# KiCad board gate.kicad_pcb
title: Doorway to Heaven Badge; company: Sarif Industries
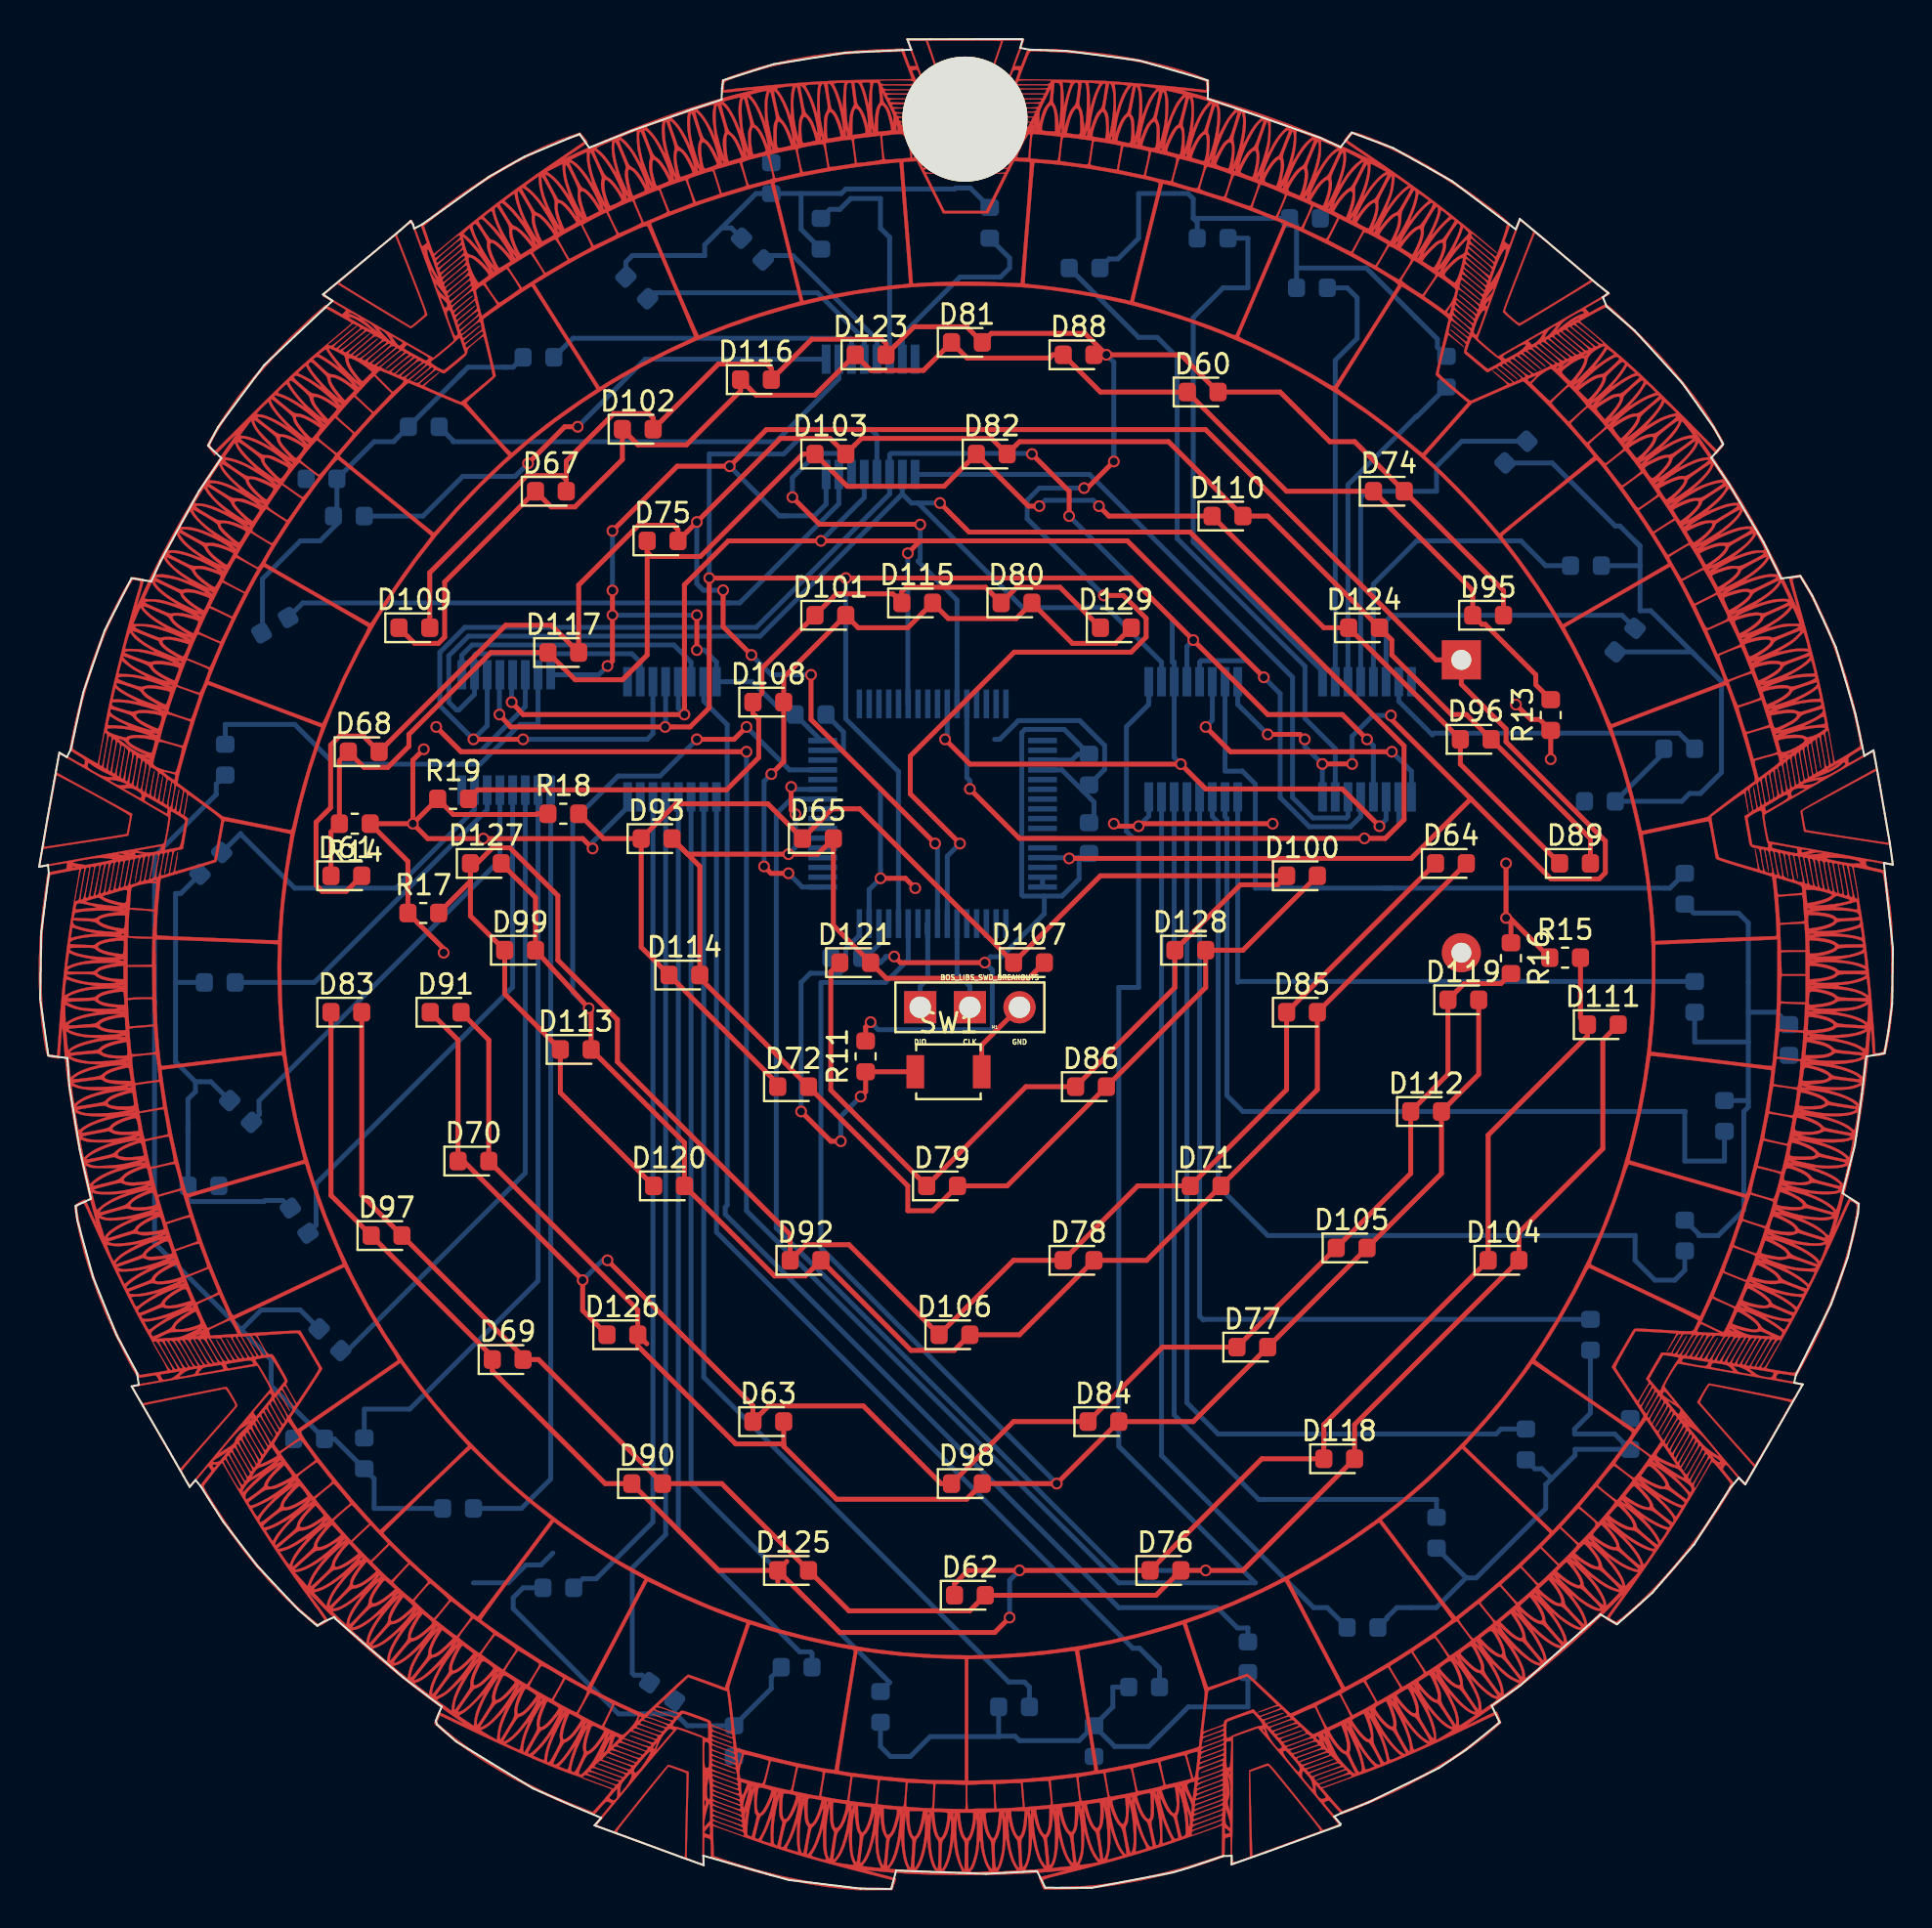
[diagram p0: board, top side]
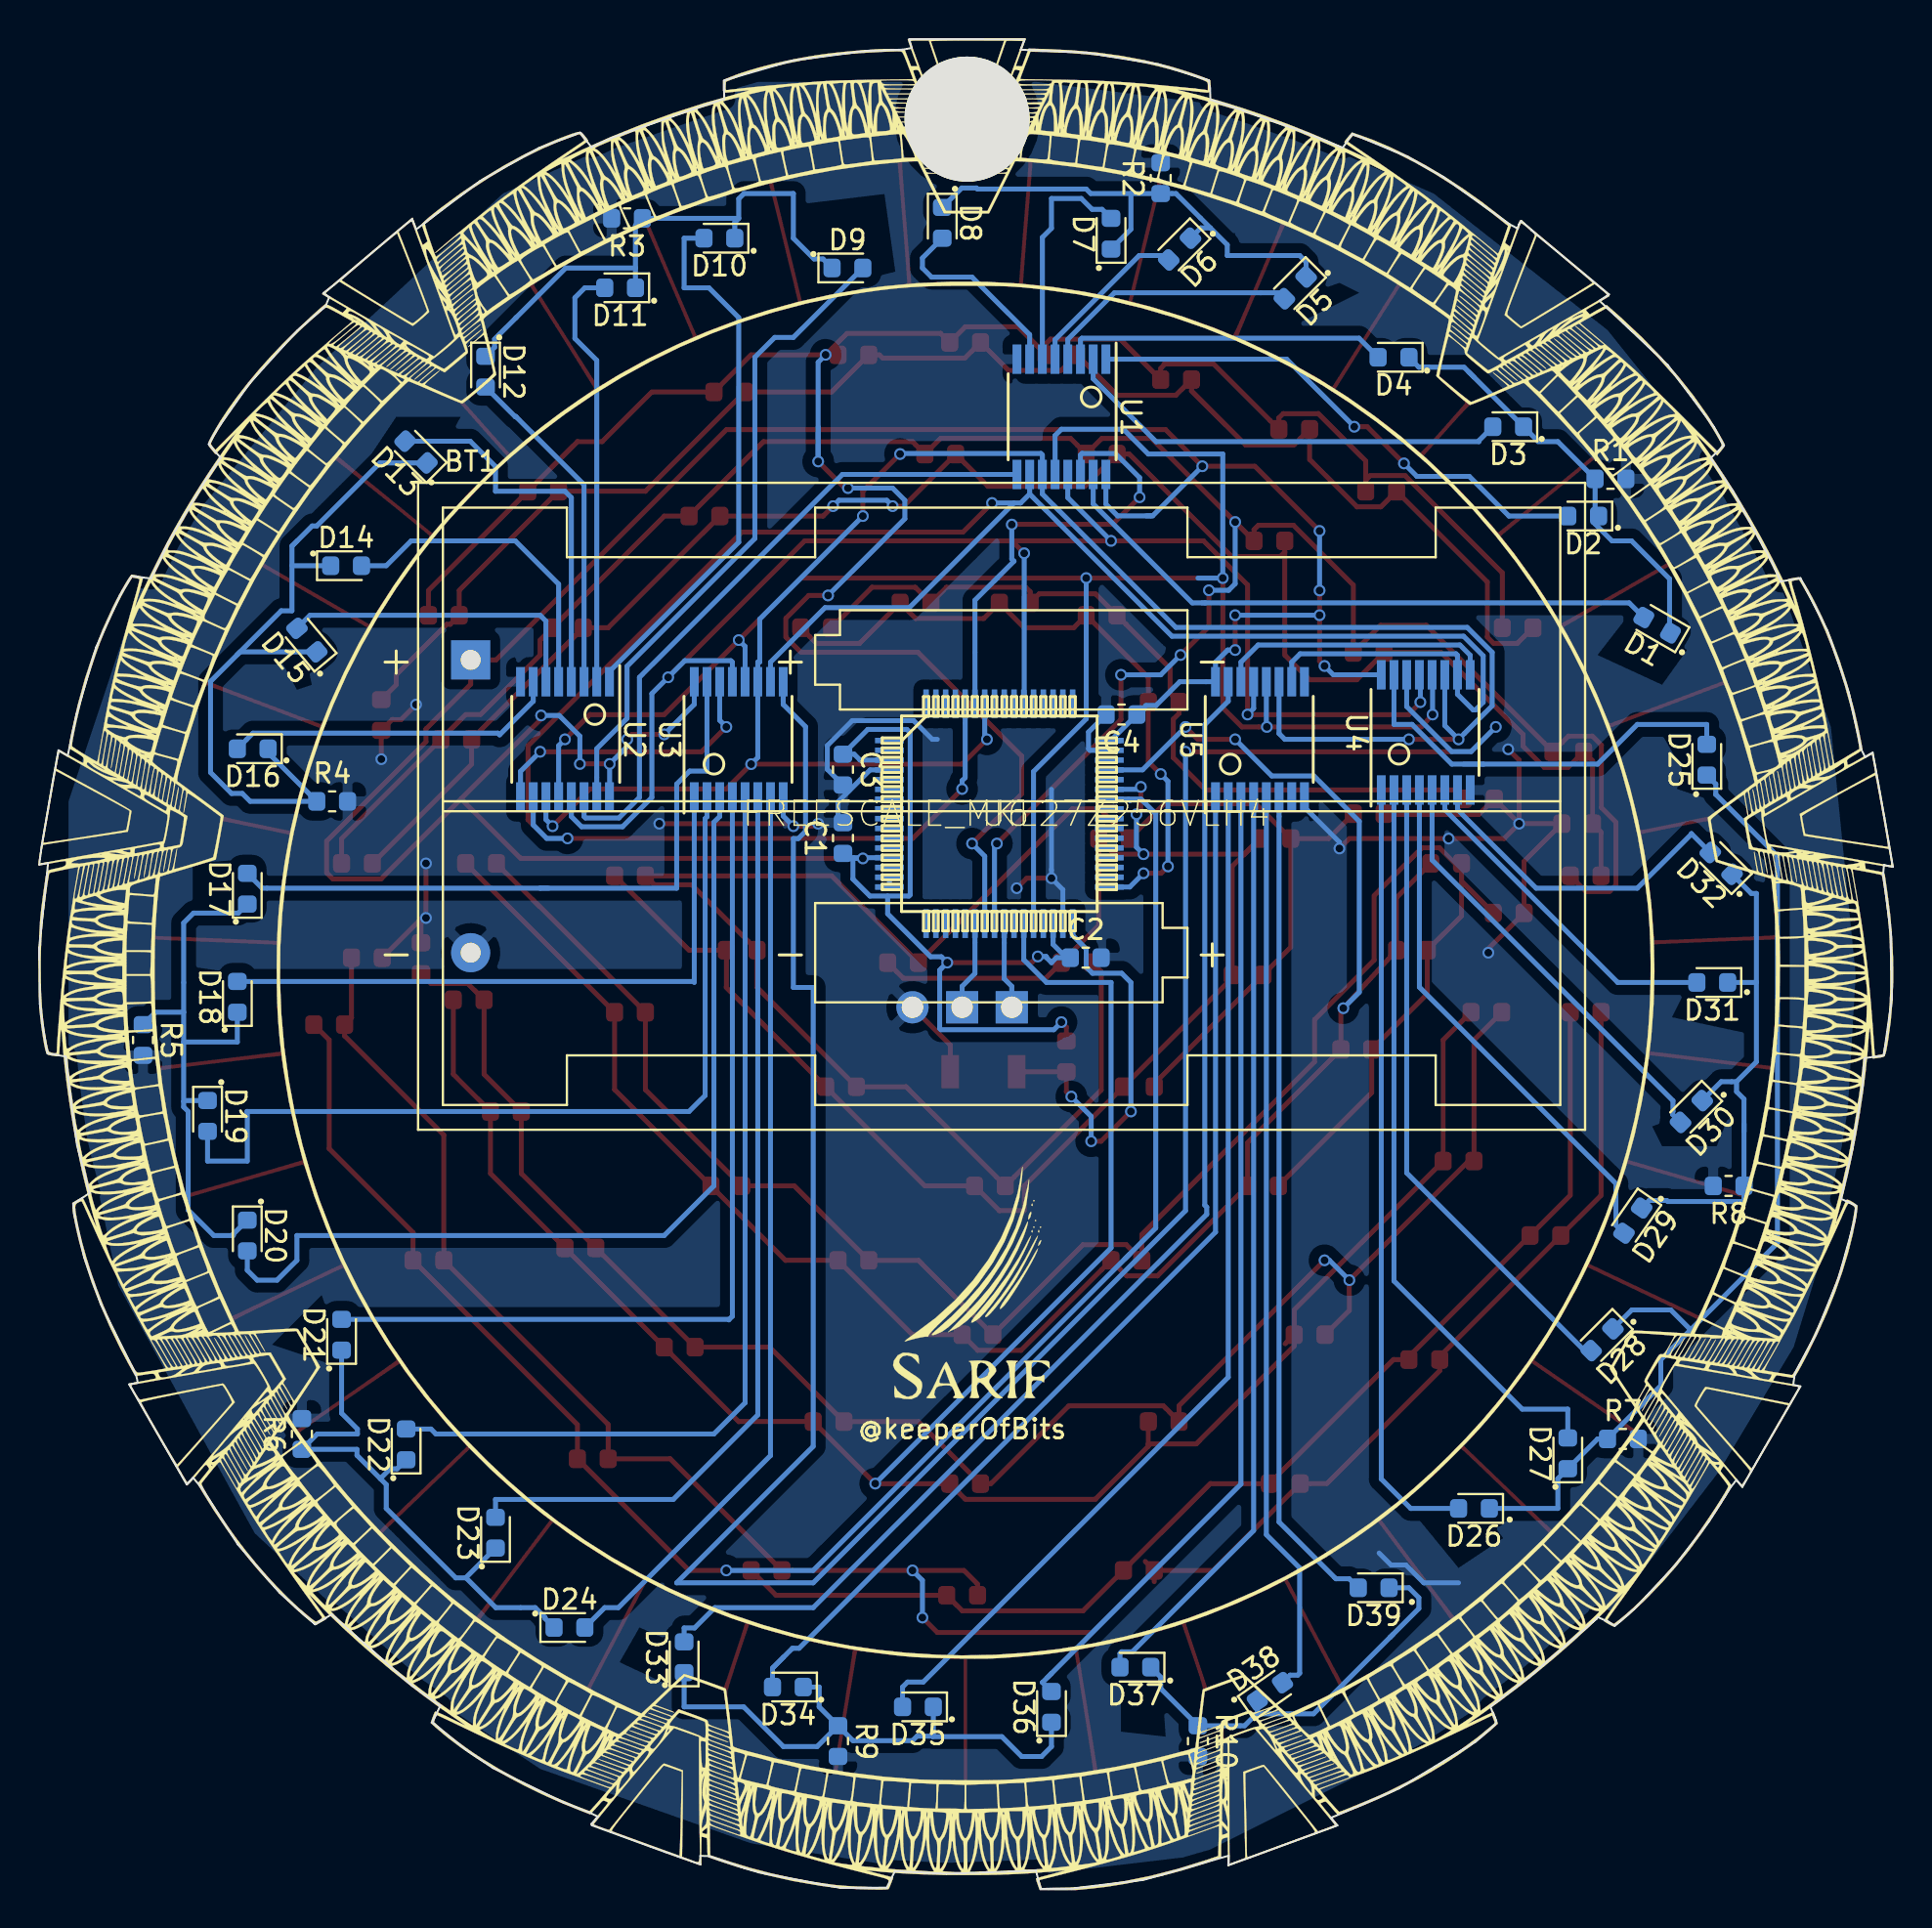
[diagram p1: board, bottom side, seen from below]

Outline 94.85 x 94.7 mm; copper layers: Top, Bottom. Coordinates in mm from the lower left corner of the outline.
Outline path: 0,52.32 0.44,54.85 1.03,58.17 1.42,57.94 1.62,58.33 2.25,61.23 3.35,64.42 4.73,67.1 5.74,66.93 6.21,67.96 8.18,71.56 9.33,73.25 8.65,73.88 9.15,74.83 11.52,78.01 14.63,80.94 15.01,81.3 14.53,81.63 16.67,83.4 18.49,84.91 19.02,85.39 19.14,85.19 19.19,85 19.6,85.21 20.34,85.73 23.01,87.64 24.82,88.67 27.13,89.63 27.66,89.83 28.15,89.14 30.35,90.01 33.45,91.11 34.92,91.6 34.94,92.19 35.01,92.59 37.59,93.41 41.26,94 44.17,94.13 44.63,94.15 44.43,94.69 45.59,94.69 50.33,94.7 50.2,94.24 50.67,94.16 52.56,94.09 56.29,93.6 59.78,92.59 59.8,92.01 59.79,91.64 61.51,91.06 65.54,89.65 66.59,89.16 67.16,89.91 69.28,89.12 72.3,87.42 75.55,84.96 75.77,85.48 76.96,84.49 79.75,82.12 80.29,81.7 80.01,81.48 80.19,81.02 81.64,79.77 84.07,77.09 85.68,74.83 86.17,73.96 85.56,73.26 86.47,71.91 88.22,68.96 89.13,67.08 90.11,67.21 90.72,66.21 91.93,63.56 92.94,60.13 93.39,58 93.86,58.29 94.15,56.68 94.71,53.47 94.84,52.43 94.39,52.52 94.5,51.36 94.85,48.18 94.81,45.3 94.62,43.9 94.42,42.77 93.49,42.61 93.27,40.69 92.91,38.07 92.27,35.62 93.1,35.07 93.06,34.57 92.54,32.34 91.69,29.93 89.89,26.33 89.8,25.92 90.24,25.83 88.49,22.78 87.3,20.71 86.97,21.05 86.55,20.55 84.68,17.63 82.54,15.16 80.73,13.55 79.89,14.05 75.76,10.4 74.32,9.37 74.74,8.53 73,7.12 71.63,6.19 68.02,4.43 66.65,3.89 66.26,3.71 66.59,3.33 66.57,3.26 62.79,1.88 61.02,1.26 61.02,1.69 60.59,1.69 58.72,1.05 58,0.84 53.86,0.06 51.48,0.06 51.06,0.91 48.44,0.78 43.85,0.94 43.6,0 42.05,0.01 38.37,0.46 37.41,0.72 33.98,1.7 34.01,1.21 32.89,1.61 29.56,2.84 28.42,3.25 28.76,3.64 27.28,4.26 25.27,5.15 21.35,7.54 20.36,8.41 20.29,8.6 20.6,9.33 18.63,10.83 15.16,13.83 15.11,13.92 14.53,13.66 14.23,13.47 13.26,14.3 11.16,16.55 9.43,18.79 8.62,20.06 8.28,20.59 8.01,20.93 7.7,20.58 6.6,22.51 4.73,25.73 5.1,25.81 5.01,26.42 3.97,28.35 2.77,31.29 1.95,34.25 1.87,34.97 2.66,35.33 2.08,37.86 1.54,41.13 1.45,42.53 0.47,42.66 0.06,45.57 0.11,48.96 0.5,51.98 0.46,52.41 0,52.32

## Placement (name value [footprint] x y rotation side)
BT1  Battery_Cell  [BatteryHolder_Keystone_2462_2xAA]  72.77 62.92 180 bottom
C1  .1uf  [C_0603_1608Metric]  53.72 53.8 90 bottom
C2  .1uf  [C_0603_1608Metric]  41.3 47.67 180 bottom
C3  .1uf  [C_0603_1608Metric]  53.72 57.3 270 bottom
C4  .1uf  [C_0603_1608Metric]  39.47 60.12 0 bottom
D1  LED-SideMnt-Red  [LED_0603_1608Metric]  12.06 64.69 30 bottom
D2  LED-SideMnt-Red  [LED_0603_1608Metric]  15.85 70.28 0 bottom
D3  LED-SideMnt-Red  [LED_0603_1608Metric]  19.68 74.85 0 bottom
D4  LED-SideMnt-Red  [LED_0603_1608Metric]  25.55 78.41 0 bottom
D5  LED-SideMnt-Red  [LED_0603_1608Metric]  30.58 81.96 315 bottom
D6  LED-SideMnt-Red  [LED_0603_1608Metric]  36.5 83.95 315 bottom
D7  LED-SideMnt-Red  [LED_0603_1608Metric]  40 84.73 90 bottom
D8  LED-SideMnt-Red  [LED_0603_1608Metric]  48.64 85.29 270 bottom
D9  LED-SideMnt-Red  [LED_0603_1608Metric]  53.49 82.98 180 bottom
D10  LED-SideMnt-Red  [LED_0603_1608Metric]  60.04 84.5 0 bottom
D11  LED-SideMnt-Red  [LED_0603_1608Metric]  65.12 81.96 0 bottom
D12  LED-SideMnt-Red  [LED_0603_1608Metric]  72.01 77.67 270 bottom
D13  LED-SideMnt-Red  [LED_0603_1608Metric]  75.56 73.56 45 bottom
D14  LED-SideMnt-Red  [LED_0603_1608Metric]  79.14 67.74 180 bottom
D15  LED-SideMnt-Red  [LED_0603_1608Metric]  81.15 63.93 50 bottom
D16  LED-SideMnt-Red  [LED_0603_1608Metric]  83.92 58.37 0 bottom
D17  LED-SideMnt-Red  [LED_0603_1608Metric]  84.2 51.2 90 bottom
D18  LED-SideMnt-Red  [LED_0603_1608Metric]  84.71 45.67 90 bottom
D19  LED-SideMnt-Red  [LED_0603_1608Metric]  86.23 39.57 270 bottom
D20  LED-SideMnt-Red  [LED_0603_1608Metric]  84.2 33.45 270 bottom
D21  LED-SideMnt-Red  [LED_0603_1608Metric]  79.37 28.37 90 bottom
D22  LED-SideMnt-Red  [LED_0603_1608Metric]  76.07 22.76 90 bottom
D23  LED-SideMnt-Red  [LED_0603_1608Metric]  71.5 18.24 90 bottom
D24  LED-SideMnt-Red  [LED_0603_1608Metric]  67.72 13.38 180 bottom
D25  LED-SideMnt-Red  [LED_0603_1608Metric]  9.52 57.81 90 bottom
D26  LED-SideMnt-Red  [LED_0603_1608Metric]  21.44 19.48 0 bottom
D27  LED-SideMnt-Red  [LED_0603_1608Metric]  16.64 22.3 90 bottom
D28  LED-SideMnt-Red  [LED_0603_1608Metric]  14.88 28.12 315 bottom
D29  LED-SideMnt-Red  [LED_0603_1608Metric]  13.31 34.21 305 bottom
D30  LED-SideMnt-Red  [LED_0603_1608Metric]  10.31 39.8 315 bottom
D31  LED-SideMnt-Red  [LED_0603_1608Metric]  9.24 46.4 0 bottom
D32  LED-SideMnt-Red  [LED_0603_1608Metric]  8.79 52.5 45 bottom
D33  LED-SideMnt-Red  [LED_0603_1608Metric]  61.85 11.86 90 bottom
D34  LED-SideMnt-Red  [LED_0603_1608Metric]  56.54 10.34 0 bottom
D35  LED-SideMnt-Red  [LED_0603_1608Metric]  49.88 9.32 0 bottom
D36  LED-SideMnt-Red  [LED_0603_1608Metric]  43.05 9.32 90 bottom
D37  LED-SideMnt-Red  [LED_0603_1608Metric]  38.76 11.35 0 bottom
D38  LED-SideMnt-Red  [LED_0603_1608Metric]  31.88 10.11 145 bottom
D39  LED-SideMnt-Red  [LED_0603_1608Metric]  26.57 15.42 0 bottom
D60  LED-Blue  [LED_0603_1608Metric]  59.54 76.63 0 top
D61  LED-Blue  [LED_0603_1608Metric]  15.72 51.86 0 top
D62  LED-Blue  [LED_0603_1608Metric]  47.62 15.03 0 top
D63  LED-Blue  [LED_0603_1608Metric]  37.31 23.92 0 top
D64  LED-Blue  [LED_0603_1608Metric]  72.24 52.5 0 top
D65  LED-Blue  [LED_0603_1608Metric]  39.85 53.77 0 top
D67  LED-Blue  [LED_0603_1608Metric]  26.19 71.55 0 top
D68  LED-Blue  [LED_0603_1608Metric]  16.61 58.21 0 top
D69  LED-Blue  [LED_0603_1608Metric]  23.98 27.1 0 top
D70  LED-Blue  [LED_0603_1608Metric]  22.22 37.26 0 top
D71  LED-Blue  [LED_0603_1608Metric]  59.69 35.99 0 top
D72  LED-Blue  [LED_0603_1608Metric]  38.58 41.07 0 top
D74  LED-Blue  [LED_0603_1608Metric]  69.06 71.55 0 top
D75  LED-Blue  [LED_0603_1608Metric]  31.9 69.01 0 top
D76  LED-Blue  [LED_0603_1608Metric]  57.63 16.3 0 top
D77  LED-Blue  [LED_0603_1608Metric]  62.08 27.73 0 top
D78  LED-Blue  [LED_0603_1608Metric]  53.19 32.18 0 top
D79  LED-Blue  [LED_0603_1608Metric]  46.2 35.99 0 top
D80  LED-Blue  [LED_0603_1608Metric]  50.01 65.83 0 top
D81  LED-Blue  [LED_0603_1608Metric]  47.47 79.17 0 top
D82  LED-Blue  [LED_0603_1608Metric]  48.74 73.45 0 top
D83  LED-Blue  [LED_0603_1608Metric]  15.72 44.88 0 top
D84  LED-Blue  [LED_0603_1608Metric]  54.46 23.92 0 top
D85  LED-Blue  [LED_0603_1608Metric]  64.62 44.88 0 top
D86  LED-Blue  [LED_0603_1608Metric]  53.82 41.07 0 top
D88  LED-Blue  [LED_0603_1608Metric]  53.19 78.53 0 top
D89  LED-Blue  [LED_0603_1608Metric]  78.59 52.5 0 top
D90  LED-Blue  [LED_0603_1608Metric]  31.11 20.75 0 top
D91  LED-Blue  [LED_0603_1608Metric]  20.8 44.88 0 top
D92  LED-Blue  [LED_0603_1608Metric]  39.22 32.18 0 top
D93  LED-Blue  [LED_0603_1608Metric]  31.6 53.77 0 top
D95  LED-Blue  [LED_0603_1608Metric]  74.14 65.2 0 top
D96  LED-Blue  [LED_0603_1608Metric]  73.51 58.85 0 top
D97  LED-Blue  [LED_0603_1608Metric]  17.78 33.45 0 top
D98  LED-Blue  [LED_0603_1608Metric]  47.47 20.75 0 top
D99  LED-Blue  [LED_0603_1608Metric]  24.61 48.05 0 top
D100  LED-Blue  [LED_0603_1608Metric]  64.62 51.86 0 top
D101  LED-Blue  [LED_0603_1608Metric]  40.49 65.2 0 top
D102  LED-Blue  [LED_0603_1608Metric]  30.63 74.72 0 top
D103  LED-Blue  [LED_0603_1608Metric]  40.49 73.45 0 top
D104  LED-Blue  [LED_0603_1608Metric]  74.93 32.18 0 top
D105  LED-Blue  [LED_0603_1608Metric]  67.16 32.81 0 top
D106  LED-Blue  [LED_0603_1608Metric]  46.84 28.37 0 top
D107  LED-Blue  [LED_0603_1608Metric]  50.65 47.42 0 top
D108  LED-Blue  [LED_0603_1608Metric]  37.31 60.75 0 top
D109  LED-Blue  [LED_0603_1608Metric]  19.2 64.56 0 top
D110  LED-Blue  [LED_0603_1608Metric]  60.81 70.28 0 top
D111  LED-Blue  [LED_0603_1608Metric]  80.01 44.24 0 top
D112  LED-Blue  [LED_0603_1608Metric]  70.97 39.8 0 top
D113  LED-Blue  [LED_0603_1608Metric]  27.46 42.97 0 top
D114  LED-Blue  [LED_0603_1608Metric]  33.02 46.78 0 top
D115  LED-Blue  [LED_0603_1608Metric]  44.93 65.83 0 top
D116  LED-Blue  [LED_0603_1608Metric]  36.68 77.26 0 top
D117  LED-Blue  [LED_0603_1608Metric]  26.82 63.29 0 top
D118  LED-Blue  [LED_0603_1608Metric]  66.52 22.02 0 top
D119  LED-Blue  [LED_0603_1608Metric]  72.87 45.51 0 top
D120  LED-Blue  [LED_0603_1608Metric]  32.23 35.99 0 top
D121  LED-Blue  [LED_0603_1608Metric]  41.76 47.42 0 top
D123  LED-Blue  [LED_0603_1608Metric]  42.54 78.53 0 top
D124  LED-Blue  [LED_0603_1608Metric]  67.79 64.56 0 top
D125  LED-Blue  [LED_0603_1608Metric]  38.58 16.3 0 top
D126  LED-Blue  [LED_0603_1608Metric]  29.84 28.37 0 top
D127  LED-Blue  [LED_0603_1608Metric]  22.86 52.5 0 top
D128  LED-Blue  [LED_0603_1608Metric]  58.9 48.05 0 top
D129  LED-Blue  [LED_0603_1608Metric]  55.09 64.56 0 top
G***  -  [LOGO]  47.37 47.42 0 top
G***#2  -  [LOGO]  47.37 47.42 0 top
G***#3  -  [LOGO]  47.37 47.42 0 top
G***#4  -  [LOGO]  47.37 47.42 0 top
G***#5  LOGO  [logo]  47.04 31.29 180 bottom
M1  BOS_LIBS_SWD_BREAKOUTS  [BOS_LIBS_SWD2]  47.62 45.13 0 top
R1  220  [R_0603_1608Metric]  14.45 72.18 180 bottom
R2  220  [R_0603_1608Metric]  37.46 87.58 90 bottom
R3  220  [R_0603_1608Metric]  64.77 85.52 0 bottom
R4  220  [R_0603_1608Metric]  79.86 55.67 180 bottom
R5  220  [R_0603_1608Metric]  89.53 43.46 270 bottom
R6  220  [R_0603_1608Metric]  81.41 23.29 90 bottom
R7  220  [R_0603_1608Metric]  13.82 23.04 180 bottom
R8  220  [R_0603_1608Metric]  8.41 35.99 0 bottom
R9  220  [R_0603_1608Metric]  53.97 7.57 270 bottom
R10  220  [R_0603_1608Metric]  35.56 7.57 270 bottom
R11  10k  [R_0603_1608Metric]  42.29 42.62 90 top
R13  220  [R_0603_1608Metric]  77.34 60.09 90 top
R14  220  [R_0603_1608Metric]  16.15 54.53 180 top
R15  220  [R_0603_1608Metric]  78.08 47.67 0 top
R16  220  [R_0603_1608Metric]  75.31 47.65 270 top
R17  220  [R_0603_1608Metric]  19.66 49.96 0 top
R18  220  [R_0603_1608Metric]  26.82 55.04 0 top
R19  220  [R_0603_1608Metric]  21.18 55.8 0 top
REF**  -  [MountingHole_6.4mm_M6]  47.37 90.6 0 top
SW1  SW_Push  [SW_SPST_B3U-1000P]  46.53 41.83 0 top
U1  74HCT595  [TSSOP-16_4.4x5mm_P0.65mm]  42.54 75.36 270 bottom
U2  74HCT595  [TSSOP-16_4.4x5mm_P0.65mm]  67.94 58.85 270 bottom
U3  74HCT595  [TSSOP-16_4.4x5mm_P0.65mm]  59.05 58.85 90 bottom
U4  74HCT595  [TSSOP-16_4.4x5mm_P0.65mm]  23.9 59.2 90 bottom
U5  74HCT595  [TSSOP-16_4.4x5mm_P0.65mm]  32.38 58.85 90 bottom
U6  FREESCALE_MKL27Z256VLH4  [FREESCALE_LQFP-64_10X10X1.6]  45.72 55.04 180 bottom
